# KiCad board INS-1 Matrix Display.kicad_pcb (continued)
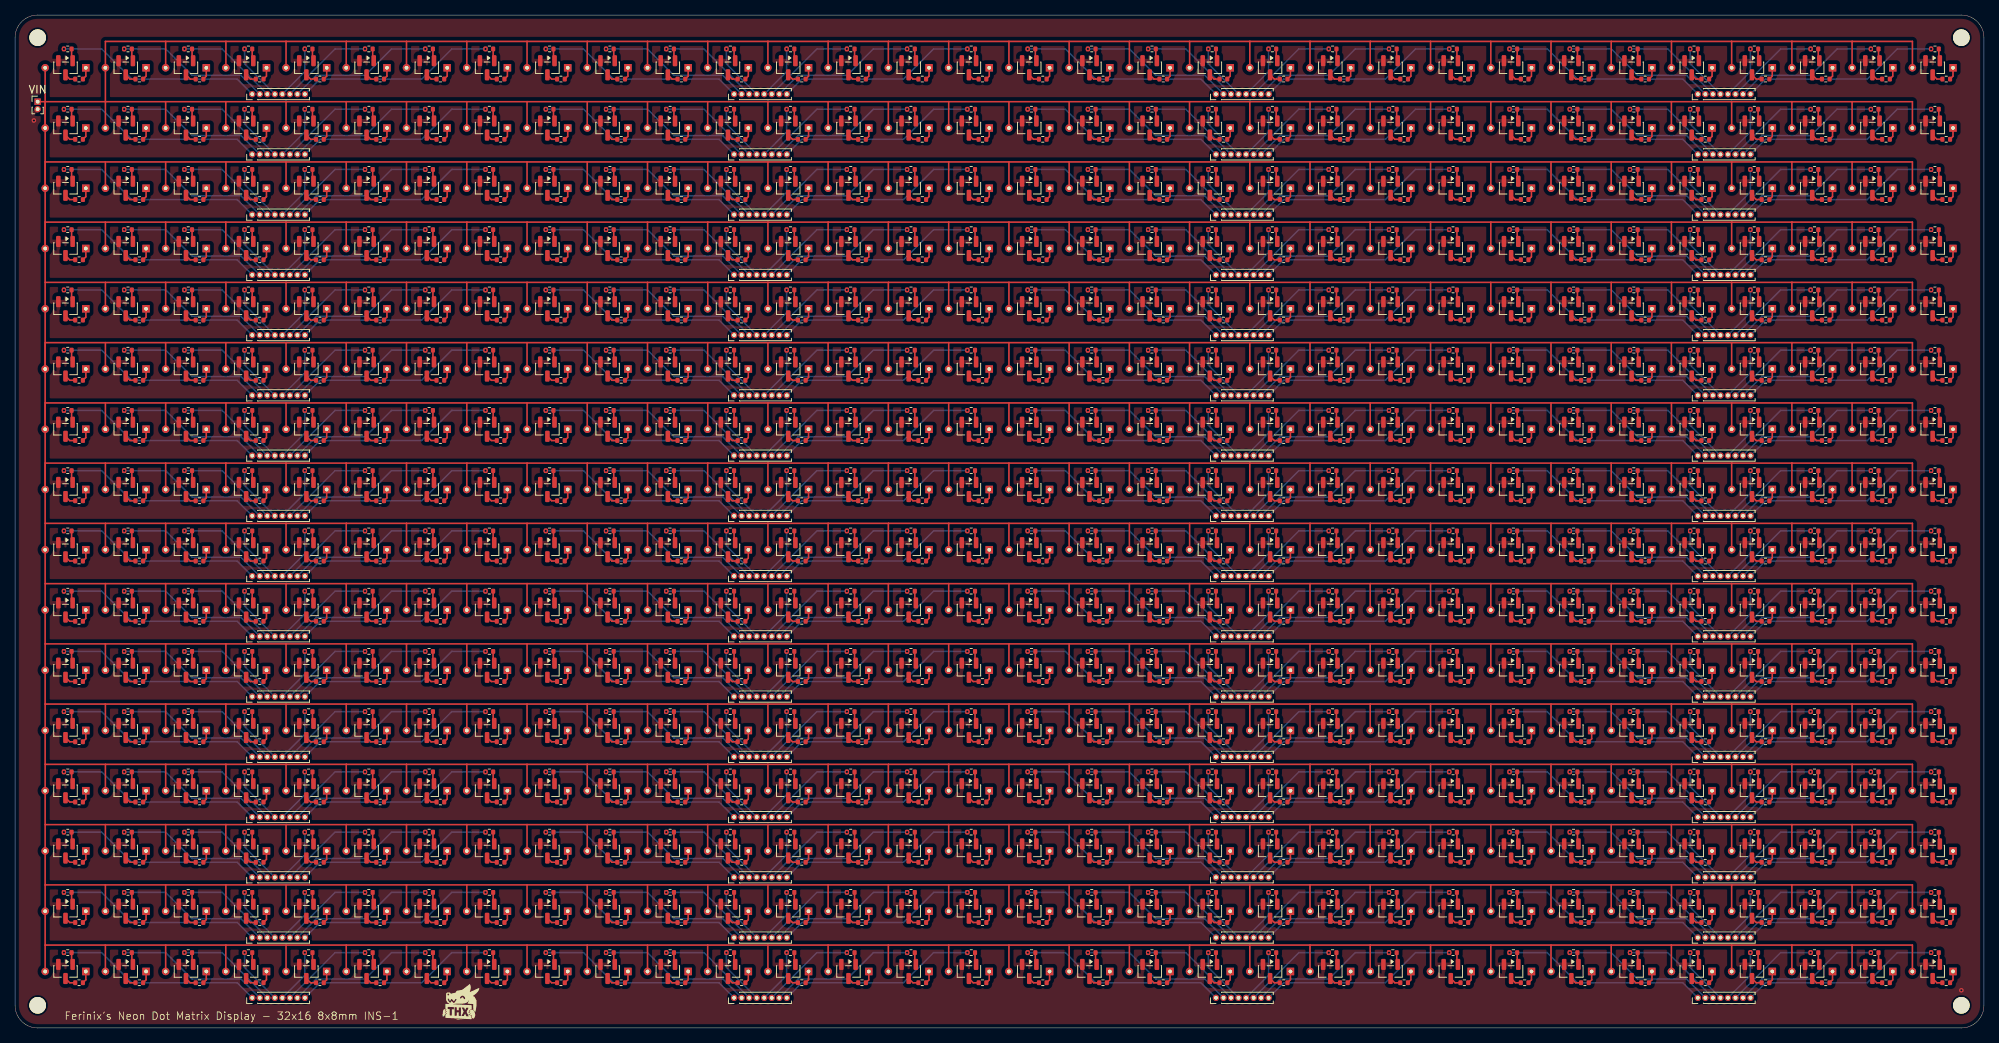
[diagram p0: board, top side]
## Nets (continued)
 3; MMBTA42#443 1 3; MMBTA42#444 1 3; MMBTA42#445 1 3; MMBTA42#446 1 3; MMBTA42#447 1 3; MMBTA42#448 1 3; MMBTA42#449 1 3; MMBTA42#450 1 3; MMBTA42#451 1 3; MMBTA42#452 1 3; MMBTA42#453 1 3; MMBTA42#454 1 3; MMBTA42#455 1 3; MMBTA42#456 1 3; MMBTA42#457 1 3; MMBTA42#458 1 3; MMBTA42#459 1 3; MMBTA42#460 1 3; MMBTA42#461 1 3; MMBTA42#462 1 3; MMBTA42#463 1 3; MMBTA42#464 1 3; MMBTA42#465 1 3; MMBTA42#466 1 3; MMBTA42#467 1 3; MMBTA42#468 1 3; MMBTA42#469 1 3; MMBTA42#470 1 3; MMBTA42#471 1 3; MMBTA42#472 1 3; MMBTA42#473 1 3; MMBTA42#474 1 3; MMBTA42#475 1 3; MMBTA42#476 1 3; MMBTA42#477 1 3; MMBTA42#478 1 3; MMBTA42#479 1 3; MMBTA42#480 1 3; MMBTA42#481 1 3; MMBTA42#482 1 3; MMBTA42#483 1 3; MMBTA42#484 1 3; MMBTA42#485 1 3; MMBTA42#486 1 3; MMBTA42#487 1 3; MMBTA42#488 1 3; MMBTA42#489 1 3; MMBTA42#490 1 3; MMBTA42#491 1 3; MMBTA42#492 1 3; MMBTA42#493 1 3; MMBTA42#494 1 3; MMBTA42#495 1 3; MMBTA42#496 1 3; MMBTA42#497 1 3; MMBTA42#498 1 3; MMBTA42#499 1 3; MMBTA42#500 1 3; MMBTA42#501 1 3; MMBTA42#502 1 3; MMBTA42#503 1 3; MMBTA42#504 1 3; MMBTA42#505 1 3; MMBTA42#506 1 3; MMBTA42#507 1 3; MMBTA42#508 1 3; MMBTA42#509 1 3; MMBTA42#510 1 3; MMBTA42#511 1 3; MMBTA42#512 1 3; REF** 1 2; REF**#2 1 2; REF**#3 1 2; REF**#4 1 2; REF**#5 1 2; REF**#6 1 2; REF**#7 1 2; REF**#8 1 2; REF**#9 1 2; REF**#10 1 2; REF**#11 1 2; REF**#12 1 2; REF**#13 1 2; REF**#14 1 2; REF**#15 1 2; REF**#16 1 2; REF**#17 1 2; REF**#18 1 2; REF**#19 1 2; REF**#20 1 2; REF**#21 1 2; REF**#22 1 2; REF**#23 1 2; REF**#24 1 2; REF**#25 1 2; REF**#26 1 2; REF**#27 1 2; REF**#29 1 2; REF**#30 1 2; REF**#31 1 2; REF**#32 1 2; REF**#33 1 2; REF**#34 1 2; REF**#35 1 2; REF**#36 1 2; REF**#37 1 2; REF**#38 1 2; REF**#39 1 2; REF**#40 1 2; REF**#41 1 2; REF**#42 1 2; REF**#43 1 2; REF**#44 1 2; REF**#45 1 2; REF**#46 1 2; REF**#47 1 2; REF**#48 1 2; REF**#49 1 2; REF**#50 1 2; REF**#51 1 2; REF**#52 1 2; REF**#53 1 2; REF**#54 1 2; REF**#55 1 2; REF**#56 1 2; REF**#57 1 2; REF**#58 1 2; REF**#59 1 2; REF**#60 1 2; REF**#61 1 2; REF**#62 1 2; REF**#63 1 2; REF**#64 1 2; REF**#65 1 2; REF**#66 1 2; REF**#67 1 2; REF**#68 1 2; REF**#69 1 2; REF**#70 1 2; REF**#71 1 2; REF**#72 1 2; REF**#73 1 2; REF**#74 1 2; REF**#75 1 2; REF**#76 1 2; REF**#77 1 2; REF**#78 1 2; REF**#79 1 2; REF**#80 1 2; REF**#81 1 2; REF**#82 1 2; REF**#83 1 2; REF**#84 1 2; REF**#85 1 2; REF**#86 1 2; REF**#87 1 2; REF**#88 1 2; REF**#89 1 2; REF**#90 1 2; REF**#91 1 2; REF**#92 1 2; REF**#93 1 2; REF**#94 1 2; REF**#95 1 2; REF**#96 1 2; REF**#97 1 2; REF**#98 1 2; REF**#99 1 2; REF**#100 1 2; REF**#101 1 2; REF**#102 1 2; REF**#103 1 2; REF**#104 1 2; REF**#105 1 2; REF**#106 1 2; REF**#107 1 2; REF**#108 1 2; REF**#109 1 2; REF**#110 1 2; REF**#111 1 2; REF**#112 1 2; REF**#113 1 2; REF**#114 1 2; REF**#115 1 2; REF**#116 1 2; REF**#117 1 2; REF**#118 1 2; REF**#119 1 2; REF**#120 1 2; REF**#121 1 2; REF**#122 1 2; REF**#123 1 2; REF**#125 1 2; REF**#126 1 2; REF**#127 1 2; REF**#128 1 2; REF**#129 1 2; REF**#130 1 2; REF**#131 1 2; REF**#132 1 2; REF**#133 1 2; REF**#134 1 2; REF**#135 1 2; REF**#136 1 2; REF**#137 1 2; REF**#138 1 2; REF**#139 1 2; REF**#140 1 2; REF**#141 1 2; REF**#142 1 2; REF**#143 1 2; REF**#144 1 2; REF**#145 1 2; REF**#146 1 2; REF**#147 1 2; REF**#148 1 2; REF**#150 1 2; REF**#151 1 2; REF**#152 1 2; REF**#153 1 2; REF**#154 1 2; REF**#155 1 2; REF**#156 1 2; REF**#157 1 2; REF**#158 1 2; REF**#159 1 2; REF**#160 1 2; REF**#161 1 2; REF**#162 1 2; REF**#163 1 2; REF**#164 1 2; REF**#165 1 2; REF**#166 1 2; REF**#167 1 2; REF**#168 1 2; REF**#169 1 2; REF**#170 1 2; REF**#171 1 2; REF**#172 1 2; REF**#173 1 2; REF**#174 1 2; REF**#175 1 2; REF**#176 1 2; REF**#177 1 2; REF**#178 1 2; REF**#179 1 2; REF**#180 1 2; REF**#181 1 2; REF**#182 1 2; REF**#183 1 2; REF**#184 1 2; REF**#185 1 2; REF**#186 1 2; REF**#187 1 2; REF**#188 1 2; REF**#189 1 2; REF**#190 1 2; REF**#191 1 2; REF**#192 1 2; REF**#193 1 2; REF**#194 1 2; REF**#195 1 2; REF**#196 1 2; REF**#197 1 2; REF**#198 1 2; REF**#199 1 2; REF**#200 1 2; REF**#201 1 2; REF**#202 1 2; REF**#203 1 2; REF**#204 1 2; REF**#205 1 2; REF**#206 1 2; REF**#207 1 2; REF**#208 1 2; REF**#209 1 2; REF**#210 1 2; REF**#211 1 2; REF**#212 1 2; REF**#213 1 2; REF**#214 1 2; REF**#215 1 2; REF**#216 1 2; REF**#217 1 2; REF**#218 1 2; REF**#219 1 2; REF**#220 1 2; REF**#221 1 2; REF**#222 1 2; REF**#223 1 2; REF**#224 1 2; REF**#225 1 2; REF**#226 1 2; REF**#227 1 2; REF**#228 1 2; REF**#229 1 2; REF**#230 1 2; REF**#231 1 2; REF**#232 1 2; REF**#233 1 2; REF**#234 1 2; REF**#235 1 2; REF**#236 1 2; REF**#237 1 2; REF**#238 1 2; REF**#239 1 2; REF**#240 1 2; REF**#241 1 2; REF**#242 1 2; REF**#243 1 2; REF**#244 1 2; REF**#245 1 2; REF**#246 1 2; REF**#247 1 2; REF**#248 1 2; REF**#249 1 2; REF**#250 1 2; REF**#251 1 2; REF**#252 1 2; REF**#253 1 2; REF**#254 1 2; REF**#255 1 2; REF**#256 1 2; REF**#257 1 2; REF**#258 1 2; REF**#259 1 2; REF**#260 1 2; REF**#261 1 2; REF**#262 1 2; REF**#263 1 2; REF**#264 1 2; REF**#265 1 2; REF**#266 1 2; REF**#267 1 2; REF**#268 1 2; REF**#269 1 2; REF**#270 1 2; REF**#271 1 2; REF**#272 1 2; REF**#273 1 2; REF**#274 1 2; REF**#275 1 2; REF**#276 1 2; REF**#277 1 2; REF**#278 1 2; REF**#279 1 2; REF**#280 1 2; REF**#281 1 2; REF**#282 1 2; REF**#283 1 2; REF**#284 1 2; REF**#285 1 2; REF**#286 1 2; REF**#287 1 2; REF**#288 1 2; REF**#289 1 2; REF**#290 1 2; REF**#291 1 2; REF**#292 1 2; REF**#293 1 2; REF**#294 1 2; REF**#295 1 2; REF**#296 1 2; REF**#297 1 2; REF**#298 1 2; REF**#299 1 2; REF**#300 1 2; REF**#301 1 2; REF**#302 1 2; REF**#303 1 2; REF**#304 1 2; REF**#305 1 2; REF**#306 1 2; REF**#307 1 2; REF**#308 1 2; REF**#309 1 2; REF**#310 1 2; REF**#311 1 2; REF**#312 1 2; REF**#313 1 2; REF**#314 1 2; REF**#315 1 2; REF**#316 1 2; REF**#317 1 2; REF**#318 1 2; REF**#319 1 2; REF**#320 1 2; REF**#321 1 2; REF**#322 1 2; REF**#323 1 2; REF**#324 1 2; REF**#325 1 2; REF**#326 1 2; REF**#327 1 2; REF**#328 1 2; REF**#329 1 2; REF**#330 1 2; REF**#331 1 2; REF**#332 1 2; REF**#333 1 2; REF**#334 1 2; REF**#335 1 2; REF**#336 1 2; REF**#337 1 2; REF**#338 1 2; REF**#339 1 2; REF**#340 1 2; REF**#341 1 2; REF**#342 1 2; REF**#343 1 2; REF**#344 1 2; REF**#345 1 2; REF**#346 1 2; REF**#347 1 2; REF**#348 1 2; REF**#349 1 2; REF**#350 1 2; REF**#351 1 2; REF**#352 1 2; REF**#353 1 2; REF**#354 1 2; REF**#355 1 2; REF**#356 1 2; REF**#357 1 2; REF**#358 1 2; REF**#359 1 2; REF**#360 1 2; REF**#361 1 2; REF**#362 1 2; REF**#363 1 2; REF**#364 1 2; REF**#365 1 2; REF**#366 1 2; REF**#367 1 2; REF**#368 1 2; REF**#369 1 2; REF**#370 1 2; REF**#371 1 2; REF**#372 1 2; REF**#373 1 2; REF**#374 1 2; REF**#375 1 2; REF**#376 1 2; REF**#377 1 2; REF**#378 1 2; REF**#379 1 2; REF**#380 1 2; REF**#381 1 2; REF**#382 1 2; REF**#383 1 2; REF**#384 1 2; REF**#385 1 2; REF**#386 1 2; REF**#387 1 2; REF**#388 1 2; REF**#389 1 2; REF**#390 1 2; REF**#391 1 2; REF**#392 1 2; REF**#393 1 2; REF**#394 1 2; REF**#395 1 2; REF**#396 1 2; REF**#397 1 2; REF**#398 1 2; REF**#399 1 2; REF**#400 1 2; REF**#401 1 2; REF**#402 1 2; REF**#403 1 2; REF**#404 1 2; REF**#405 1 2; REF**#406 1 2; REF**#407 1 2; REF**#408 1 2; REF**#409 1 2; REF**#410 1 2; REF**#411 1 2; REF**#412 1 2; REF**#413 1 2; REF**#414 1 2; REF**#415 1 2; REF**#416 1 2; REF**#417 1 2; REF**#418 1 2; REF**#419 1 2; REF**#420 1 2; REF**#421 1 2; REF**#422 1 2; REF**#423 1 2; REF**#424 1 2; REF**#425 1 2; REF**#426 1 2; REF**#427 1 2; REF**#428 1 2; REF**#429 1 2; REF**#430 1 2; REF**#431 1 2; REF**#432 1 2; REF**#433 1 2; REF**#434 1 2; REF**#435 1 2; REF**#436 1 2; REF**#437 1 2; REF**#438 1 2; REF**#439 1 2; REF**#440 1 2; REF**#441 1 2; REF**#442 1 2; REF**#443 1 2; REF**#444 1 2; REF**#445 1 2; REF**#446 1 2; REF**#447 1 2; REF**#448 1 2; REF**#449 1 2; REF**#450 1 2; REF**#451 1 2; REF**#452 1 2; REF**#453 1 2; REF**#454 1 2; REF**#455 1 2; REF**#456 1 2; REF**#457 1 2; REF**#458 1 2; REF**#459 1 2; REF**#460 1 2; REF**#461 1 2; REF**#462 1 2; REF**#463 1 2; REF**#464 1 2; REF**#465 1 2; REF**#466 1 2; REF**#467 1 2; REF**#468 1 2; REF**#469 1 2; REF**#470 1 2; REF**#471 1 2; REF**#472 1 2; REF**#473 1 2; REF**#474 1 2; REF**#475 1 2; REF**#476 1 2; REF**#477 1 2; REF**#478 1 2; REF**#479 1 2; REF**#480 1 2; REF**#481 1 2; REF**#482 1 2; REF**#483 1 2; REF**#484 1 2; REF**#485 1 2; REF**#486 1 2; REF**#487 1 2; REF**#488 1 2; REF**#489 1 2; REF**#490 1 2; REF**#491 1 2; REF**#492 1 2; REF**#493 1 2; REF**#494 1 2; REF**#495 1 2; REF**#496 1 2; REF**#498 1 2; REF**#499 1 2; REF**#500 1 2; REF**#501 1 2; REF**#502 1 2; REF**#503 1 2; REF**#504 1 2; REF**#505 1 2; REF**#506 1 2; REF**#507 1 2; REF**#508 1 2; REF**#509 1 2; REF**#510 1 2; REF**#511 1 2; REF**#512 1 2; REF**#513 1 2; REF**#514 1 2; REF**#515 1 2; REF**#516 1 2; RegisterLane 1 2 3 4 5 6 7 8; RegisterLane#2 1 2 3 4 5 6 7 8; RegisterLane#3 1 2 3 4 5 6 7 8; RegisterLane#4 1 2 3 4 5 6 7 8; RegisterLane#5 1 2 3 4 5 6 7 8; RegisterLane#6 1 2 3 4 5 6 7 8; RegisterLane#7 1 2 3 4 5 6 7 8; RegisterLane#8 1 2 3 4 5 6 7 8; RegisterLane#9 1 2 3 4 5 6 7 8; RegisterLane#10 1 2 3 4 5 6 7 8; RegisterLane#11 1 2 3 4 5 6 7 8; RegisterLane#12 1 2 3 4 5 6 7 8; RegisterLane#13 1 2 3 4 5 6 7 8; RegisterLane#14 1 2 3 4 5 6 7 8; RegisterLane#15 1 2 3 4 5 6 7 8; RegisterLane#16 1 2 3 4 5 6 7 8; RegisterLane#17 1 2 3 4 5 6 7 8; RegisterLane#18 1 2 3 4 5 6 7 8; RegisterLane#19 1 2 3 4 5 6 7 8; RegisterLane#20 1 2 3 4 5 6 7 8; RegisterLane#21 1 2 3 4 5 6 7 8; RegisterLane#22 1 2 3 4 5 6 7 8; RegisterLane#23 1 2 3 4 5 6 7 8; RegisterLane#24 1 2 3 4 5 6 7 8; RegisterLane#25 1 2 3 4 5 6 7 8; RegisterLane#26 1 2 3 4 5 6 7 8; RegisterLane#27 1 2 3 4 5 6 7 8; RegisterLane#28 1 2 3 4 5 6 7 8; RegisterLane#29 1 2 3 4 5 6 7 8; RegisterLane#30 1 2 3 4 5 6 7 8; RegisterLane#31 1 2 3 4 5 6 7 8; RegisterLane#32 1 2 3 4 5 6 7 8; RegisterLane#33 1 2 3 4 5 6 7 8; RegisterLane#34 1 2 3 4 5 6 7 8; RegisterLane#35 1 2 3 4 5 6 7 8; RegisterLane#36 1 2 3 4 5 6 7 8; RegisterLane#37 1 2 3 4 5 6 7 8; RegisterLane#38 1 2 3 4 5 6 7 8; RegisterLane#39 1 2 3 4 5 6 7 8; RegisterLane#40 1 2 3 4 5 6 7 8; RegisterLane#41 1 2 3 4 5 6 7 8; RegisterLane#42 1 2 3 4 5 6 7 8; RegisterLane#43 1 2 3 4 5 6 7 8; RegisterLane#44 1 2 3 4 5 6 7 8; RegisterLane#45 1 2 3 4 5 6 7 8; RegisterLane#46 1 2 3 4 5 6 7 8; RegisterLane#47 1 2 3 4 5 6 7 8; RegisterLane#48 1 2 3 4 5 6 7 8; RegisterLane#49 1 2 3 4 5 6 7 8; RegisterLane#50 1 2 3 4 5 6 7 8; RegisterLane#51 1 2 3 4 5 6 7 8; RegisterLane#52 1 2 3 4 5 6 7 8; RegisterLane#53 1 2 3 4 5 6 7 8; RegisterLane#54 1 2 3 4 5 6 7 8; RegisterLane#55 1 2 3 4 5 6 7 8; RegisterLane#56 1 2 3 4 5 6 7 8; RegisterLane#57 1 2 3 4 5 6 7 8; RegisterLane#58 1 2 3 4 5 6 7 8; RegisterLane#59 1 2 3 4 5 6 7 8; RegisterLane#60 1 2 3 4 5 6 7 8; RegisterLane#61 1 2 3 4 5 6 7 8; RegisterLane#62 1 2 3 4 5 6 7 8; RegisterLane#63 1 2 3 4 5 6 7 8; RegisterLane#64 1 2 3 4 5 6 7 8; VIN 1

## Via types
v1: diameter 0.6, hole 0.3, Top to Bottom, 514 vias

## Routing (per net, layer and track width the routed paths; a pad name or vN(x,y) marks a point on that pad's centre or on a via; arc(x,y) is an arc through that point)
GND:
  vias: v1(2.5,120.5) v1(258.5,5)
(no net): length 16930
  Top w0.2: 50K#456.1 57.39,70.39 REF**#167.2 ; 1K#219.2 103.5,56.58 MMBTA42#53.1 ; MMBTA42#30.3 239.25,102 50K#9.2 ; 50K#416.1 225.39,6.39 REF**#126.2 ; 68,59 76,59 ; 68,59 60,59 ; 68,59 REF**#395.1 ; 76,59 REF**#166.1 ; 76,59 84,59 ; MMBTA42#311.3 231.25,6 50K#336.2 ; MMBTA42#488.3 199.26,6 50K#395.2 ; REF**#85.2 233.39,94.39 50K#109.1 ; REF**#492.2 169.39,70.39 50K#287.1 ; MMBTA42#155.3 95.25,94 50K#98.2 ; 100,91 99.99,90.99 REF**#248.1 ; 100,91 108,91 ; 100,91 92,91 ; 228,19 236,19 ; 228,19 227.99,18.99 REF**#236.1 ; 228,19 220,19 ; 236,19 244,19 ; 236,19 235.99,18.99 REF**#451.1 ; REF**#152.2 105.39,78.39 50K#251.1 ; 1K#326.2 71.51,40.58 MMBTA42#75.1 ; 50K#65.2 79.26,62 MMBTA42#8.3 ; 4,35 REF**#50.1 4,43 ; 4,35 REF**#486.1 4,27 ; 4,35 12,35 ; 50K#401.1 201.4,22.39 REF**#351.2 ; REF**#417.2 249.39,14.39 50K#115.1 ; 156,91 164,91 ; 156,91 148,91 ; 156,91 155.99,90.99 REF**#503.1 ; 164,91 163.99,90.99 REF**#332.1 ; 164,91 172,91 ; 44,35 52,35 ; 44,35 43.99,34.99 REF**#461.1 ; 44,35 36,35 ; 52,35 51.99,34.99 REF**#182.1 ; 52,35 60,35 ; 116,107 124,107 ; 116,107 108,107 ; 116,107 115.99,106.99 REF**#453.1 ; 124,107 124,103.51 REF**#9.1 ; 124,107 132,107 ; 220,115 220,111.51 REF**#273.1 ; 220,115 212,115 ; 220,115 228,115 ; 1K#419.2 151.51,80.58 MMBTA42#468.1 ; 50K#473.1 249.39,110.39 REF**#401.2 ; 50K#62.2 223.25,110 MMBTA42#153.3 ; REF**#72.2 113.39,102.39 50K#291.1 ; 228,83 227.99,82.99 REF**#473.1 ; 228,83 220,83 ; 228,83 236,83 ; 28,27 27.99,26.99 REF**#324.1 ; 28,27 20,27 ; 28,27 36,27 ; 148,35 156,35 ; 148,35 140,35 ; 148,35 REF**#123.1 ; 156,35 156,31.51 REF**#499.1 ; 156,35 164,35 ; REF**#392.1 51.99,50.99 52,51 ; REF**#118.2 217.4,70.39 50K#362.1 ; REF**#358.2 25.4,70.39 50K#55.1 ; 1K#224.2 175.5,112.58 MMBTA42#103.1 ; REF**#286.1 60,31.51 60,35 ; MMBTA42#316.3 39.25,102 50K#397.2 ; 1K#352.2 159.5,80.58 MMBTA42#24.1 ; 12,35 20,35 ; 12,35 REF**#90.1 ; 20,35 REF**#77.1 ; 20,35 28,35 ; 50K#506.1 201.4,62.39 REF**#357.2 ; 1K#381.2 215.51,16.58 MMBTA42#456.1 ; 50K#347.2 23.26,6 MMBTA42#272.3 ; 50K#222.1 73.4,30.39 REF**#469.2 ; 148,75 156,75 ; 148,75 REF**#121.1 ; 148,75 140,75 ; 156,75 155.99,74.99 REF**#442.1 ; 156,75 164,75 ; 1K#436.2 39.5,56.58 MMBTA42#416.1 ; MMBTA42#307.1 239.5,128.58 1K#46.2 ; MMBTA42#415.1 143.51,40.58 1K#454.2 ; 50K#279.2 31.25,70 MMBTA42#481.3 ; 50K#251.2 103.25,78 MMBTA42#208.3 ; MMBTA42#446.1 143.51,8.58 1K#165.2 ; 50K#465.2 167.25,102 MMBTA42#309.3 ; REF**#423.2 249.39,22.39 50K#99.1 ; 50K#22.1 41.39,38.39 REF**#355.2 ; REF**#367.2 105.39,94.39 50K#18.1 ; 28,75 36,75 ; 28,75 20,75 ; 28,75 27.99,74.99 REF**#97.1 ; 36,75 44,75 ; 36,75 35.99,74.99 REF**#40.1 ; 1K#71.2 151.51,56.58 MMBTA42#207.1 ; 50K#342.1 249.39,94.39 REF**#185.2 ; 196,27 204,27 ; 196,27 REF**#351.1 ; 196,27 188,27 ; 204,27 212,27 ; 204,27 REF**#245.1 ; 1K#13.2 23.51,56.58 MMBTA42#202.1 ; MMBTA42#122.3 71.26,126 50K#66.2 ; MMBTA42#485.1 183.5,8.58 1K#113.2 ; MMBTA42#368.3 207.26,110 50K#448.2 ; REF**#340.1 115.99,18.99 116,19 ; 108,115 107.99,114.99 REF**#139.1 ; 108,115 116,115 ; 108,115 100,115 ; MMBTA42#244.1 167.5,120.58 1K#20.2 ; REF**#481.2 169.39,30.39 50K#53.1 ; REF**#74.1 252,111.51 252,115 244,115 ; 28,99 28,95.51 REF**#347.1 ; 28,99 20,99 ; 28,99 36,99 ; 50K#329.2 95.25,14 MMBTA42#163.3 ; 50K#349.2 31.25,22 MMBTA42#348.3 ; REF**#146.2 161.39,22.39 50K#418.1 ; 44,11 43.99,10.99 REF**#269.1 ; 44,11 52,11 ; 44,11 36,11 ; 1K#247.2 223.5,8.58 MMBTA42#364.1 ; 1K#370.2 159.5,24.58 MMBTA42#190.1 ; 50K#85.2 31.25,118 MMBTA42#107.3 ; REF**#428.1 235.99,98.99 236,99 ; 1K#214.2 183.5,24.58 MMBTA42#106.1 ; 50K#469.2 127.25,78 MMBTA42#442.3 ; 236,99 244,99 ; 236,99 228,99 ; REF**#111.1 227.99,50.99 228,51 ; MMBTA42#384.1 95.5,112.58 1K#101.2 ; REF**#383.2 9.4,102.39 50K.1 ; 156,131 156,127.51 REF**#427.1 ; 156,131 164,131 ; 156,131 148,131 ; REF**#70.1 51.99,58.99 52,59 ; 50K#229.1 25.4,126.39 REF**#315.2 ; 1K#10.2 127.5,88.58 MMBTA42#315.1 ; REF**#422.2 41.39,110.39 50K#466.1 ; REF**#49.2 89.4,6.39 50K#348.1 ; MMBTA42#506.1 23.51,96.58 1K#483.2 ; 50K#293.2 231.25,30 MMBTA42#360.3 ; MMBTA42#283.1 191.5,16.58 1K#175.2 ; 52,43 51.99,42.99 REF**#429.1 ; 52,43 60,43 ; 52,43 44,43 ; MMBTA42#433.3 159.25,46 50K#467.2 ; 124,27 132,27 ; 124,27 124,23.51 REF**#254.1 ; 124,27 116,27 ; 132,27 140,27 ; 132,27 REF**#479.1 ; 4,51 REF**#19.1 4,59 ; 4,51 REF**#333.1 4,43 ; 4,51 12,51 ; 1K#279.2 175.5,8.58 MMBTA42#477.1 ; MMBTA42#231.3 15.26,70 50K#175.2 ; MMBTA42#234.1 247.5,40.58 1K#413.2 ; 124,131 132,131 ; 124,131 124,127.51 REF**#80.1 ; 124,131 116,131 ; 132,131 140,131 ; 132,131 REF**#364.1 ; 50K#171.2 191.25,70 MMBTA42#405.3 ; REF**#480.1 35.99,18.99 36,19 ; 50K#461.1 65.39,86.39 REF**#64.2 ; MMBTA42#397.3 71.26,102 50K#290.2 ; REF**#225.1 68,131 ; 68,131 60,131 ; 68,131 76,131 ; 50K#282.2 23.26,54 MMBTA42#202.3 ; 204,51 REF**#398.1 ; 204,51 196,51 ; 204,51 212,51 ; 1K#193.2 63.5,88.58 MMBTA42#436.1 ; 50K#155.2 95.25,6 MMBTA42#275.3 ; 50K#306.1 145.4,86.39 REF**#281.2 ; REF**#34.1 115.99,42.99 116,43 ; 50K#235.1 33.39,46.39 REF**#279.2 ; 1K#211.2 111.5,32.58 MMBTA42#491.1 ; REF**#168.1 204,123 ; 204,123 196,123 ; 204,123 212,123 ; 50K#19.1 57.39,22.39 REF**#78.2 ; 50K#5.2 71.26,6 MMBTA42#400.3 ; REF**#190.1 212,83 ; 212,83 220,83 ; 212,83 204,83 ; 50K#196.1 121.39,38.39 REF**#34.2 ; REF**#347.2 33.39,94.39 50K#460.1 ; 28,67 36,67 ; 28,67 20,67 ; 28,67 28,63.51 REF**#293.1 ; 36,67 44,67 ; 36,67 35.99,66.99 REF**#48.1 ; REF**#164.2 257.39,6.39 50K#431.1 ; MMBTA42#156.1 31.5,48.58 1K#350.2 ; 236,123 244,123 ; 236,123 228,123 ; 236,123 235.99,122.99 REF**#448.1 ; 244,123 252,123 252,119.51 REF**#113.1 ; 244,123 243.99,122.99 REF**#389.1 ; 50K#457.1 49.39,118.39 REF**#430.2 ; REF**#123.2 153.4,30.39 50K#246.1 ; REF**#216.2 81.4,94.39 50K#280.1 ; MMBTA42#238.1 87.51,112.58 1K#496.2 ; 1K#379.2 151.51,96.58 MMBTA42#68.1 ; 1K#280.2 135.51,16.58 MMBTA42#2.1 ; 36,123 44,123 ; 36,123 28,123 ; 36,123 35.99,122.99 REF**#335.1 ; 44,123 43.99,122.99 REF**#430.1 ; 44,123 52,123 ; MMBTA42#112.3 47.25,102 50K#453.2 ; MMBTA42#504.3 7.26,30 50K#326.2 ; 50K#435.2 199.26,70 MMBTA42#443.3 ; 50K#220.1 97.39,46.39 REF**#25.2 ; 1K#415.2 183.5,80.58 MMBTA42#59.1 ; REF**#47.2 209.4,110.39 50K#448.1 ; MMBTA42#124.1 215.51,80.58 1K#292.2 ; 1K#126.2 63.5,32.58 MMBTA42#173.1 ; 50K#312.1 17.4,6.39 REF**#8.2 ; MMBTA42#184.1 175.5,80.58 1K#256.2 ; REF**#297.2 129.39,118.39 50K#333.1 ; 50K#423.2 199.26,94 MMBTA42#345.3 ; 50K#110.1 97.39,38.39 REF**#231.2 ; REF**#353.1 60,15.51 60,19 ; MMBTA42#41.3 183.25,102 50K#482.2 ; 50K#301.1 217.4,14.39 REF**#490.2 ; MMBTA42#426.3 239.25,54 50K#441.2 ; 50K#388.2 135.26,94 MMBTA42#38.3 ; 140,51 REF**#145.1 ; 140,51 132,51 ; 140,51 148,51 ; 50K#379.2 47.25,22 MMBTA42#314.3 ; MMBTA42#293.1 175.5,16.58 1K#32.2 ; 50K#147.1 89.4,46.39 REF**#384.2 ; 1K#512.2 199.51,16.58 MMBTA42#245.1 ; 1K#421.2 231.5,120.58 MMBTA42#134.1 ; 50K#256.1 225.39,62.39 REF**#228.2 ; REF**#8.1 12,11 ; 12,11 20,11 ; 12,11 4,11 ; MMBTA42#454.3 63.25,102 50K#252.2 ; REF**#469.1 68,35 ; 68,35 60,35 ; 68,35 76,35 ; 50K#276.2 55.25,118 MMBTA42#487.3 ; MMBTA42#174.3 15.26,118 50K#503.2 ; 52,59 60,59 ; 52,59 44,59 ; 60,59 60,55.51 REF**#138.1 ; 1K#392.2 95.5,64.58 MMBTA42#393.1 ; 1K#491.2 151.51,40.58 MMBTA42#169.1 ; 50K#86.1 193.39,110.39 REF**#316.2 ; 180,59 188,59 ; 180,59 179.99,58.99 REF**#323.1 ; 180,59 172,59 ; 188,59 196,59 ; 188,59 188,55.51 REF**#434.1 ; MMBTA42#103.3 175.25,110 50K#90.2 ; 108,67 107.99,66.99 REF**#268.1 ; 108,67 100,67 ; 108,67 116,67 ; 1K#131.2 143.51,56.58 MMBTA42#461.1 ; REF**#441.2 225.39,14.39 50K#139.1 ; 50K#328.2 111.25,14 MMBTA42#95.3 ; MMBTA42#194.3 87.26,30 50K#80.2 ; MMBTA42#430.1 167.5,48.58 1K#358.2 ; 1K#489.2 15.51,24.58 MMBTA42#45.1 ; 1K#187.2 223.5,112.58 MMBTA42#153.1 ; 50K#79.1 113.39,86.39 REF**#337.2 ; 1K#396.2 159.5,32.58 MMBTA42#326.1 ; REF**#55.2 169.39,110.39 50K#137.1 ; 164,11 163.99,10.99 REF**#342.1 ; 164,11 172,11 ; 164,11 156,11 ; REF**#375.2 97.39,110.39 50K#504.1 ; 1K#324.2 239.5,88.58 MMBTA42#445.1 ; MMBTA42#503.3 255.25,62 50K#12.2 ; 50K#201.1 169.39,22.39 REF**#244.2 ; MMBTA42#59.3 183.25,78 50K#495.2 ; MMBTA42#55.3 143.26,70 50K#487.2 ; 60,51 60,47.51 REF**#51.1 ; 60,51 68,51 ; 60,51 52,51 ; MMBTA42#337.3 15.26,38 50K#384.2 ; MMBTA42#362.1 23.51,80.58 1K#129.2 ; 196,123 REF**#271.1 ; 196,123 188,123 ; REF**#105.2 185.39,126.39 50K#215.1 ; REF**#445.2 81.4,14.39 50K#429.1 ; 50K#350.2 207.26,118 MMBTA42#89.3 ; REF**#26.1 148,131 ; 148,131 140,131 ; 4,67 12,67 ; 4,67 REF**#496.1 4,99 ; 4,67 REF**#510.1 4,59 ; 12,67 20,67 ; 12,67 REF**#471.1 ; 50K#199.2 111.25,22 MMBTA42#403.3 ; MMBTA42#238.3 87.26,110 50K#165.2 ; 156,83 164,83 ; 156,83 156,79.51 REF**#282.1 ; 156,83 148,83 ; 164,83 163.99,82.99 REF**#436.1 ; 164,83 172,83 ; 140,19 REF**#299.1 ; 140,19 132,19 ; 140,19 148,19 ; MMBTA42#189.3 135.26,54 50K#123.2 ; 92,83 100,83 ; 92,83 92,79.51 REF**#54.1 ; 92,83 84,83 ; 100,83 99.99,82.99 REF**#152.1 ; 100,83 108,83 ; 116,91 124,91 ; 116,91 108,91 ; 116,91 115.99,90.99 REF**#71.1 ; 124,91 124,87.51 REF**#81.1 ; 124,91 132,91 ; 140,83 148,83 ; 140,83 132,83 ; 140,83 REF**#314.1 ; 148,83 REF**#106.1 ; 60,67 68,67 ; 60,67 52,67 ; 60,67 60,63.51 REF**#464.1 ; 68,67 REF**#5.1 ; 68,67 76,67 ; REF**#197.2 209.4,62.39 50K#40.1 ; 228,91 236,91 ; 228,91 220,91 ; 228,91 227.99,90.99 REF**#272.1 ; 236,91 235.99,90.99 REF**#215.1 ; 236,91 244,91 ; 1K#259.2 255.5,96.58 MMBTA42#201.1 ; 1K#24.2 199.51,80.58 MMBTA42#113.1 ; MMBTA42#223.1 167.5,88.58 1K#499.2 ; REF**#4.2 233.39,22.39 50K#247.1 ; 196,107 204,107 ; 196,107 REF**#295.1 ; 196,107 188,107 ; 204,107 REF**#318.1 ; 204,107 212,107 ; REF**#236.2 233.39,14.39 50K#14.1 ; 50K#70.2 143.26,78 MMBTA42#318.3 ; 212,123 220,123 ; 212,123 REF**#30.1 ; 220,123 228,123 ; 220,123 219.99,122.99 REF**#213.1 ; REF**#155.1 124,79.51 124,83 ; REF**#200.1 132,51 ; 132,51 124,51 ; 50K#237.1 193.39,102.39 REF**#477.2 ; MMBTA42#139.3 7.26,22 50K#378.2 ; MMBTA42#271.3 79.26,102 50K#84.2 ; 212,19 220,19 ; 212,19 204,19 ; 212,19 REF**#490.1 ; 220,19 220,15.51 REF**#441.1 ; REF**#73.1 179.99,10.99 180,11 ; 92,107 91.99,106.99 REF**#362.1 ; 92,107 100,107 ; 92,107 84,107 ; 50K#302.1 185.39,62.39 REF**#462.2 ; 50K#20.2 119.25,22 MMBTA42#39.3 ; 1K#418.2 199.51,88.58 MMBTA42#56.1 ; MMBTA42#287.1 223.5,16.58 1K#68.2 ; 50K#49.2 207.26,102 MMBTA42#13.3 ; 1K#487.2 39.5,64.58 MMBTA42#301.1 ; MMBTA42#317.1 255.5,40.58 1K#28.2 ; REF**#95.1 84,67 ; 84,67 92,67 ; 84,67 76,67 ; 108,59 116,59 ; 108,59 107.99,58.99 REF**#173.1 ; 108,59 100,59 ; 116,59 124,59 ; 116,59 115.99,58.99 REF**#320.1 ; 188,75 188,71.51 REF**#257.1 ; 188,75 180,75 ; 188,75 196,75 ; 124,115 132,115 ; 124,115 116,115 ; 124,115 124,111.51 REF**#252.1 ; 132,115 REF**#88.1 ; 132,115 140,115 ; REF**#326.2 113.39,22.39 50K#199.1 ; REF**#302.1 107.99,74.99 108,75 ; 50K#385.1 57.39,46.39 REF**#392.2 ; REF**#194.2 65.39,126.39 50K#7.1 ; 50K#61.1 57.39,6.39 REF**#209.2 ; REF**#45.2 17.4,70.39 50K#175.1 ; MMBTA42#218.3 207.26,126 50K#292.2 ; 50K#173.2 247.25,30 MMBTA42#278.3 ; MMBTA42#392.1 23.51,128.58 1K#337.2 ; 52,123 60,123 ; 52,123 51.99,122.99 REF**#457.1 ; 60,123 60,119.51 REF**#400.1 ; 60,123 68,123 ; MMBTA42#31.1 175.5,24.58 1K#148.2 ; 76,83 REF**#91.1 ; 76,83 84,83 ; 76,83 68,83 ; REF**#142.1 227.99,74.99 228,75 ; REF**#234.2 65.39,94.39 50K#426.1 ; REF**#319.2 25.4,22.39 50K#275.1 ; MMBTA42#381.1 39.5,24.58 1K#267.2 ; MMBTA42#396.3 191.25,118 50K#92.2 ; 4,99 12,99 ; 4,99 REF**#37.1 ; 12,99 REF**#253.1 ; 12,99 20,99 ; MMBTA42#43.3 175.25,126 50K#438.2 ; 50K#286.2 199.26,46 MMBTA42#291.3 ; REF**#506.2 145.4,30.39 50K#200.1 ; REF**#175.2 225.39,126.39 50K#261.1 ; REF**#214.1 107.99,82.99 108,83 ; 1K#325.2 23.51,40.58 MMBTA42#303.1 ; REF**#386.1 84,75 ; 84,75 76,75 ; 84,75 92,75 ; REF**#20.1 204,59 ; 204,59 212,59 ; 204,59 196,59 ; 50K#240.2 103.25,46 MMBTA42#210.3 ; MMBTA42#268.3 247.25,78 50K#94.2 ; REF**#485.2 25.4,46.39 50K#288.1 ; 50K#97.1 65.39,62.39 REF**#464.2 ; 180,75 179.99,74.99 REF**#83.1 ; 180,75 172,75 ; 50K#34.1 73.4,46.39 REF**#157.2 ; REF**#262.1 99.99,50.99 100,51 ; 50K#428.2 143.26,38 MMBTA42#415.3 ; MMBTA42#279.3 23.26,70 50K#55.2 ; 50K#14.2 231.25,14 MMBTA42#133.3 ; 36,107 35.99,106.99 REF**#397.1 ; 36,107 28,107 ; 36,107 44,107 ; 124,83 132,83 ; 124,83 116,83 ; 132,83 REF**#393.1 ; 50K#156.2 135.26,46 MMBTA42#489.3 ; 244,51 252,51 252,47.51 REF**#274.1 ; 244,51 236,51 ; 244,51 243.99,50.99 REF**#210.1 ; MMBTA42#371.3 239.25,110 50K#75.2 ; MMBTA42#471.3 239.25,14 50K#271.2 ; 50K#43.1 97.39,22.39 REF**#439.2 ; MMBTA42#215.3 199.26,30 50K#265.2 ; MMBTA42#96.1 191.5,64.58 1K#231.2 ; 92,75 91.99,74.99 REF**#412.1 ; 92,75 100,75 ; REF**#479.2 137.4,22.39 50K#52.1 ; MMBTA42#354.3 167.25,94 50K#248.2 ; 50K#57.1 161.39,86.39 REF**#503.2 ; REF**#308.2 169.39,46.39 50K#281.1 ; 50K#203.1 97.39,30.39 REF**#438.2 ; 244,35 252,35 252,31.51 REF**#482.1 ; 244,35 243.99,34.99 REF**#62.1 ; 244,35 236,35 ; MMBTA42#102.1 183.5,64.58 1K#243.2 ; 50K#160.1 185.39,30.39 REF**#237.2 ; 12,19 REF**#223.1 ; 12,19 20,19 ; 12,19 4,19 ; 20,99 REF**#169.1 ; 50K#254.2 255.25,126 MMBTA42#81.3 ; 50K#510.1 113.39,38.39 REF**#344.2 ; REF**#321.1 188,63.51 188,67 ; MMBTA42#143.3 231.25,126 50K#405.2 ; REF**#183.1 235.99,58.99 236,59 ; MMBTA42#410.1 159.5,128.58 1K#329.2 ; MMBTA42#420.1 63.5,112.58 1K#73.2 ; MMBTA42#258.3 175.25,70 50K#354.2 ; REF**#498.2 209.4,86.39 50K#166.1 ; MMBTA42#121.3 127.25,54 50K#233.2 ; REF**#376.1 252,23.51 252,27 244,27 ; REF**#470.1 171.99,114.99 172,115 ; MMBTA42#214.3 215.26,62 50K#496.2 ; REF**#446.1 68,123 ; 68,123 76,123 ; REF**#335.2 41.39,118.39 50K#13.1 ; MMBTA42#229.3 247.25,14 50K#115.2 ; 50K#295.2 191.25,46 MMBTA42#115.3 ; MMBTA42#42.3 103.25,94 50K#18.2 ; 50K#188.1 169.39,126.39 REF**#53.2 ; REF**#354.2 145.4,6.39 50K#170.1 ; MMBTA42#444.3 55.25,30 50K#407.2 ; REF**#480.2 41.39,14.39 50K#8.1 ; MMBTA42#505.1 207.51,16.58 1K#5.2 ; 116,83 115.99,82.99 REF**#421.1 ; 116,83 108,83 ; REF**#165.1 76,27 ; 76,27 84,27 ; 76,27 68,27 ; 50K#161.1 249.39,102.39 REF**#135.2 ; 124,35 132,35 ; 124,35 116,35 ; 124,35 124,31.51 REF**#505.1 ; 132,35 REF**#250.1 ; 132,35 140,35 ; 50K#346.1 33.39,38.39 REF**#172.2 ; 1K#285.2 55.5,64.58 MMBTA42#312.1 ; 236,107 244,107 ; 236,107 235.99,106.99 REF**#137.1 ; 236,107 228,107 ; 244,107 243.99,106.99 REF**#135.1 ; 244,107 252,107 252,103.51 REF**#7.1 ; 1K#122.2 119.5,104.58 MMBTA42#380.1 ; REF**#148.2 81.4,86.39 50K#283.1 ; REF**#355.1 35.99,42.99 36,43 ; 1K#112.2 135.51,80.58 MMBTA42#480.1 ; 50K#120.2 207.26,6 MMBTA42#373.3 ; MMBTA42#138.1 159.5,16.58 1K#31.2 ; 50K#271.1 241.39,14.39 REF**#451.2 ; 50K#239.1 249.39,126.39 REF**#478.2 ; MMBTA42#300.3 55.25,110 50K#250.2 ; 36,59 44,59 ; 36,59 28,59 ; 36,59 35.99,58.99 REF**#143.1 ; 44,59 43.99,58.99 REF**#346.1 ; MMBTA42#430.3 167.25,46 50K#281.2 ; REF**#208.2 201.4,46.39 50K#286.1 ; 50K#404.2 167.25,78 MMBTA42#407.3 ; REF**#207.1 148,11 ; 148,11 140,11 ; 148,11 156,11 ; 50K#83.1 257.39,118.39 REF**#113.2 ; MMBTA42#446.3 143.26,6 50K#170.2 ; 50K#217.2 223.25,54 MMBTA42#372.3 ; MMBTA42#244.3 167.25,118 50K#308.2 ; 172,51 180,51 ; 172,51 171.99,50.99 REF**#359.1 ; 172,51 164,51 ; 180,51 179.99,50.99 REF**#516.1 ; 180,51 188,51 ; 140,131 REF**#203.1 ; 50K#41.2 31.25,14 MMBTA42#148.3 ; REF**#285.1 204,11 ; 204,11 196,11 ; 204,11 212,11 ; 12,51 20,51 ; 12,51 REF**#361.1 ; 20,51 28,51 ; 20,51 REF**#485.1 ; MMBTA42#207.3 151.26,54 50K#322.2 ; 76,131 REF**#219.1 ; 76,131 84,131 ; MMBTA42#127.3 255.25,46 50K#502.2 ; REF**#22.1 148,91 ; 148,91 140,91 ; MMBTA42#123.1 167.5,112.58 1K#123.2 ; 1K#384.2 103.5,40.58 MMBTA42#131.1 ; 1K#461.2 167.5,32.58 MMBTA42#382.1 ; MMBTA42#311.1 231.5,8.58 1K#304.2 ; 4,123 VIN.1 ; 4,123 12,123 ; 4,123 REF**#404.1 ; 1K#88.2 111.5,72.58 MMBTA42#154.1 ; REF**#244.1 163.99,26.99 164,27 ; MMBTA42#234.3 247.25,38 50K#445.2 ; 180,27 188,27 ; 180,27 179.99,26.99 REF**#101.1 ; 180,27 172,27 ; 188,27 188,23.51 REF**#35.1 ; 76,51 REF**#154.1 ; 76,51 68,51 ; 76,51 84,51 ; MMBTA42#317.3 255.25,38 50K#129.2 ; REF**#384.1 84,51 ; 84,51 92,51 ; 1K#169.2 191.5,24.58 MMBTA42#370.1 ; REF**#376.2 257.39,22.39 50K#257.1 ; MMBTA42#92.3 151.26,110 50K#130.2 ; 1K#330.2 223.5,128.58 MMBTA42#185.1 ; 50K#50.2 143.26,110 MMBTA42#236.3 ; MMBTA42#482.3 255.25,22 50K#257.2 ; 1K#158.2 135.51,64.58 MMBTA42#462.1 ; REF**#195.2 25.4,62.39 50K#319.1 ; 50K#241.2 87.26,62 MMBTA42#88.3 ; 220,83 220,79.51 REF**#131.1 ; 60,107 68,107 ; 60,107 60,103.51 REF**#79.1 ; 60,107 52,107 ; 68,107 76,107 ; 68,107 REF**#171.1 ; REF**#266.1 107.99,34.99 108,35 ; 1K#362.2 39.5,48.58 MMBTA42#369.1 ; 1K#468.2 239.5,48.58 MMBTA42#297.1 ; 1K#476.2 63.5,72.58 MMBTA42#84.1 ; 1K#300.2 183.5,16.58 MMBTA42#429.1 ; REF**#312.2 17.4,86.39 50K#357.1 ; MMBTA42#434.1 79.51,56.58 1K#473.2 ; MMBTA42#113.3 199.26,78 50K#243.2 ; MMBTA42#49.1 151.51,104.58 1K#16.2 ; 50K#441.1 241.39,54.39 REF**#183.2 ; MMBTA42#191.1 223.5,80.58 1K#38.2 ; 12,75 4,75 REF**#424.1 ; 12,75 20,75 ; 12,75 REF**#45.1 ; REF**#314.2 145.4,78.39 50K#70.1 ; 50K#204.2 207.26,78 MMBTA42#14.3 ; 1K#270.2 175.5,64.58 MMBTA42#97.1 ; 1K#307.2 63.5,16.58 MMBTA42#452.1 ; REF**#162.2 145.4,94.39 50K#351.1 ; 50K#36.1 105.39,14.39 REF**#309.2 ; 228,35 236,35 ; 228,35 227.99,34.99 REF**#186.1 ; 228,35 220,35 ; 236,35 235.99,34.99 REF**#98.1 ; 50K#109.2 231.25,94 MMBTA42#367.3 ; REF**#191.1 252,79.51 252,83 244,83 ; 50K#489.1 9.4,94.39 REF**#496.2 ; 50K#474.2 239.25,30 MMBTA42#116.3 ; MMBTA42#136.1 143.51,24.58 1K#54.2 ; MMBTA42#172.1 7.51,8.58 1K#100.2 ; REF**#377.2 105.39,22.39 50K#192.1 ; MMBTA42#398.3 71.26,110 50K#134.2 ; 50K#390.2 183.25,70 MMBTA42#47.3 ; MMBTA42#119.1 215.51,128.58 1K#445.2 ; MMBTA42#4.1 7.51,48.58 1K#160.2 ; 4,59 12,59 ; REF**#313.2 49.39,126.39 50K#398.1 ; REF**#66.2 193.39,30.39 50K#382.1 ; MMBTA42#306.3 247.25,86 50K#371.2 ; MMBTA42#265.1 111.5,88.58 1K#295.2 ; 28,43 27.99,42.99 REF**#172.1 ; 28,43 36,43 ; 28,43 20,43 ; 50K#307.1 169.39,38.39 REF**#409.2 ; 50K#427.2 191.25,126 MMBTA42#357.3 ; REF**#269.2 49.39,6.39 50K#317.1 ; MMBTA42#11.3 159.25,86 50K#57.2 ; REF**#398.2 209.4,46.39 50K#118.1 ; MMBTA42#490.1 239.5,96.58 1K#462.2 ; MMBTA42#83.1 223.5,40.58 1K#411.2 ; MMBTA42#342.3 15.26,46 50K#124.2 ; 50K#499.1 97.39,70.39 REF**#412.2 ; REF**#48.2 41.39,62.39 50K#44.1 ; 1K#154.2 183.5,112.58 MMBTA42#343.1 ; MMBTA42#216.3 207.26,54 50K#143.2 ; 50K#51.1 113.39,126.39 REF**#75.2 ; 188,19 188,15.51 REF**#330.1 ; 188,19 180,19 ; 188,19 196,19 ; REF**#260.2 233.39,38.39 50K#389.1 ; REF**#108.2 217.4,30.39 50K#213.1 ; 1K#176.2 15.51,128.58 MMBTA42#62.1 ; REF**#127.2 137.4,102.39 50K#422.1 ; 50K#369.1 49.39,110.39 REF**#495.2 ; REF**#3.1 235.99,50.99 236,51 ; 36,99 44,99 ; 36,99 35.99,98.99 REF**#307.1 ; REF**#368.2 257.39,54.39 50K#177.1 ; 50K#50.1 145.4,110.39 REF**#450.2 ; 12,27 20,27 ; 12,27 4,27 ; 12,27 REF**#179.1 ; 20,27 REF**#319.1 ; 1K#9.2 151.51,24.58 MMBTA42#492.1 ; MMBTA42#198.3 159.25,38 50K#195.2 ; REF**#64.1 60,87.51 60,91 ; MMBTA42#289.3 87.26,102 50K#29.2 ; 50K#186.1 25.4,118.39 REF**#350.2 ; 1K#232.2 127.5,40.58 MMBTA42#329.1 ; 50K#446.1 161.39,70.39 REF**#442.2 ; REF**#206.2 217.4,54.39 50K#434.1 ; 50K#316.2 111.25,54 MMBTA42#144.3 ; MMBTA42#157.1 215.51,24.58 1K#239.2 ; REF**#233.1 155.99,58.99 156,59 ; REF**#488.1 196,131 ; 196,131 188,131 ; 196,131 204,131 ; REF**#97.2 33.39,70.39 50K#279.1 ; 50K#167.2 135.26,118 MMBTA42#77.3 ; MMBTA42#239.3 119.25,54 50K#437.2 ; 50K#97.2 63.25,62 MMBTA42#168.3 ; 52,83 51.99,82.99 REF**#133.1 ; 52,83 44,83 ; 52,83 60,83 ; 50K#352.2 31.25,86 MMBTA42#495.3 ; 50K#102.2 39.25,22 MMBTA42#381.3 ; 1K#361.2 95.5,104.58 MMBTA42#117.1 ; REF**#54.2 97.39,78.39 50K#169.1 ; 50K#189.2 71.26,62 MMBTA42#320.3 ; REF**#349.1 43.99,106.99 44,107 ; MMBTA42#479.1 39.5,16.58 1K#104.2 ; REF**#373.2 41.39,46.39 50K#447.1 ; 116,123 124,123 ; 116,123 108,123 ; 116,123 115.99,122.99 REF**#241.1 ; 124,123 132,123 ; 124,123 124,119.51 REF**#297.1 ; MMBTA42#33.3 87.26,46 50K#147.2 ; MMBTA42#324.3 239.25,78 50K#187.2 ; MMBTA42#22.3 207.26,46 50K#118.2 ; MMBTA42#425.3 215.26,110 50K#376.2 ; 50K#66.1 73.4,126.39 REF**#225.2 ; 1K#472.2 175.5,120.58 MMBTA42#254.1 ; 50K#414.2 47.25,86 MMBTA42#32.3 ;